# Allegro board reComputer J202_V1.0.brd (continued)
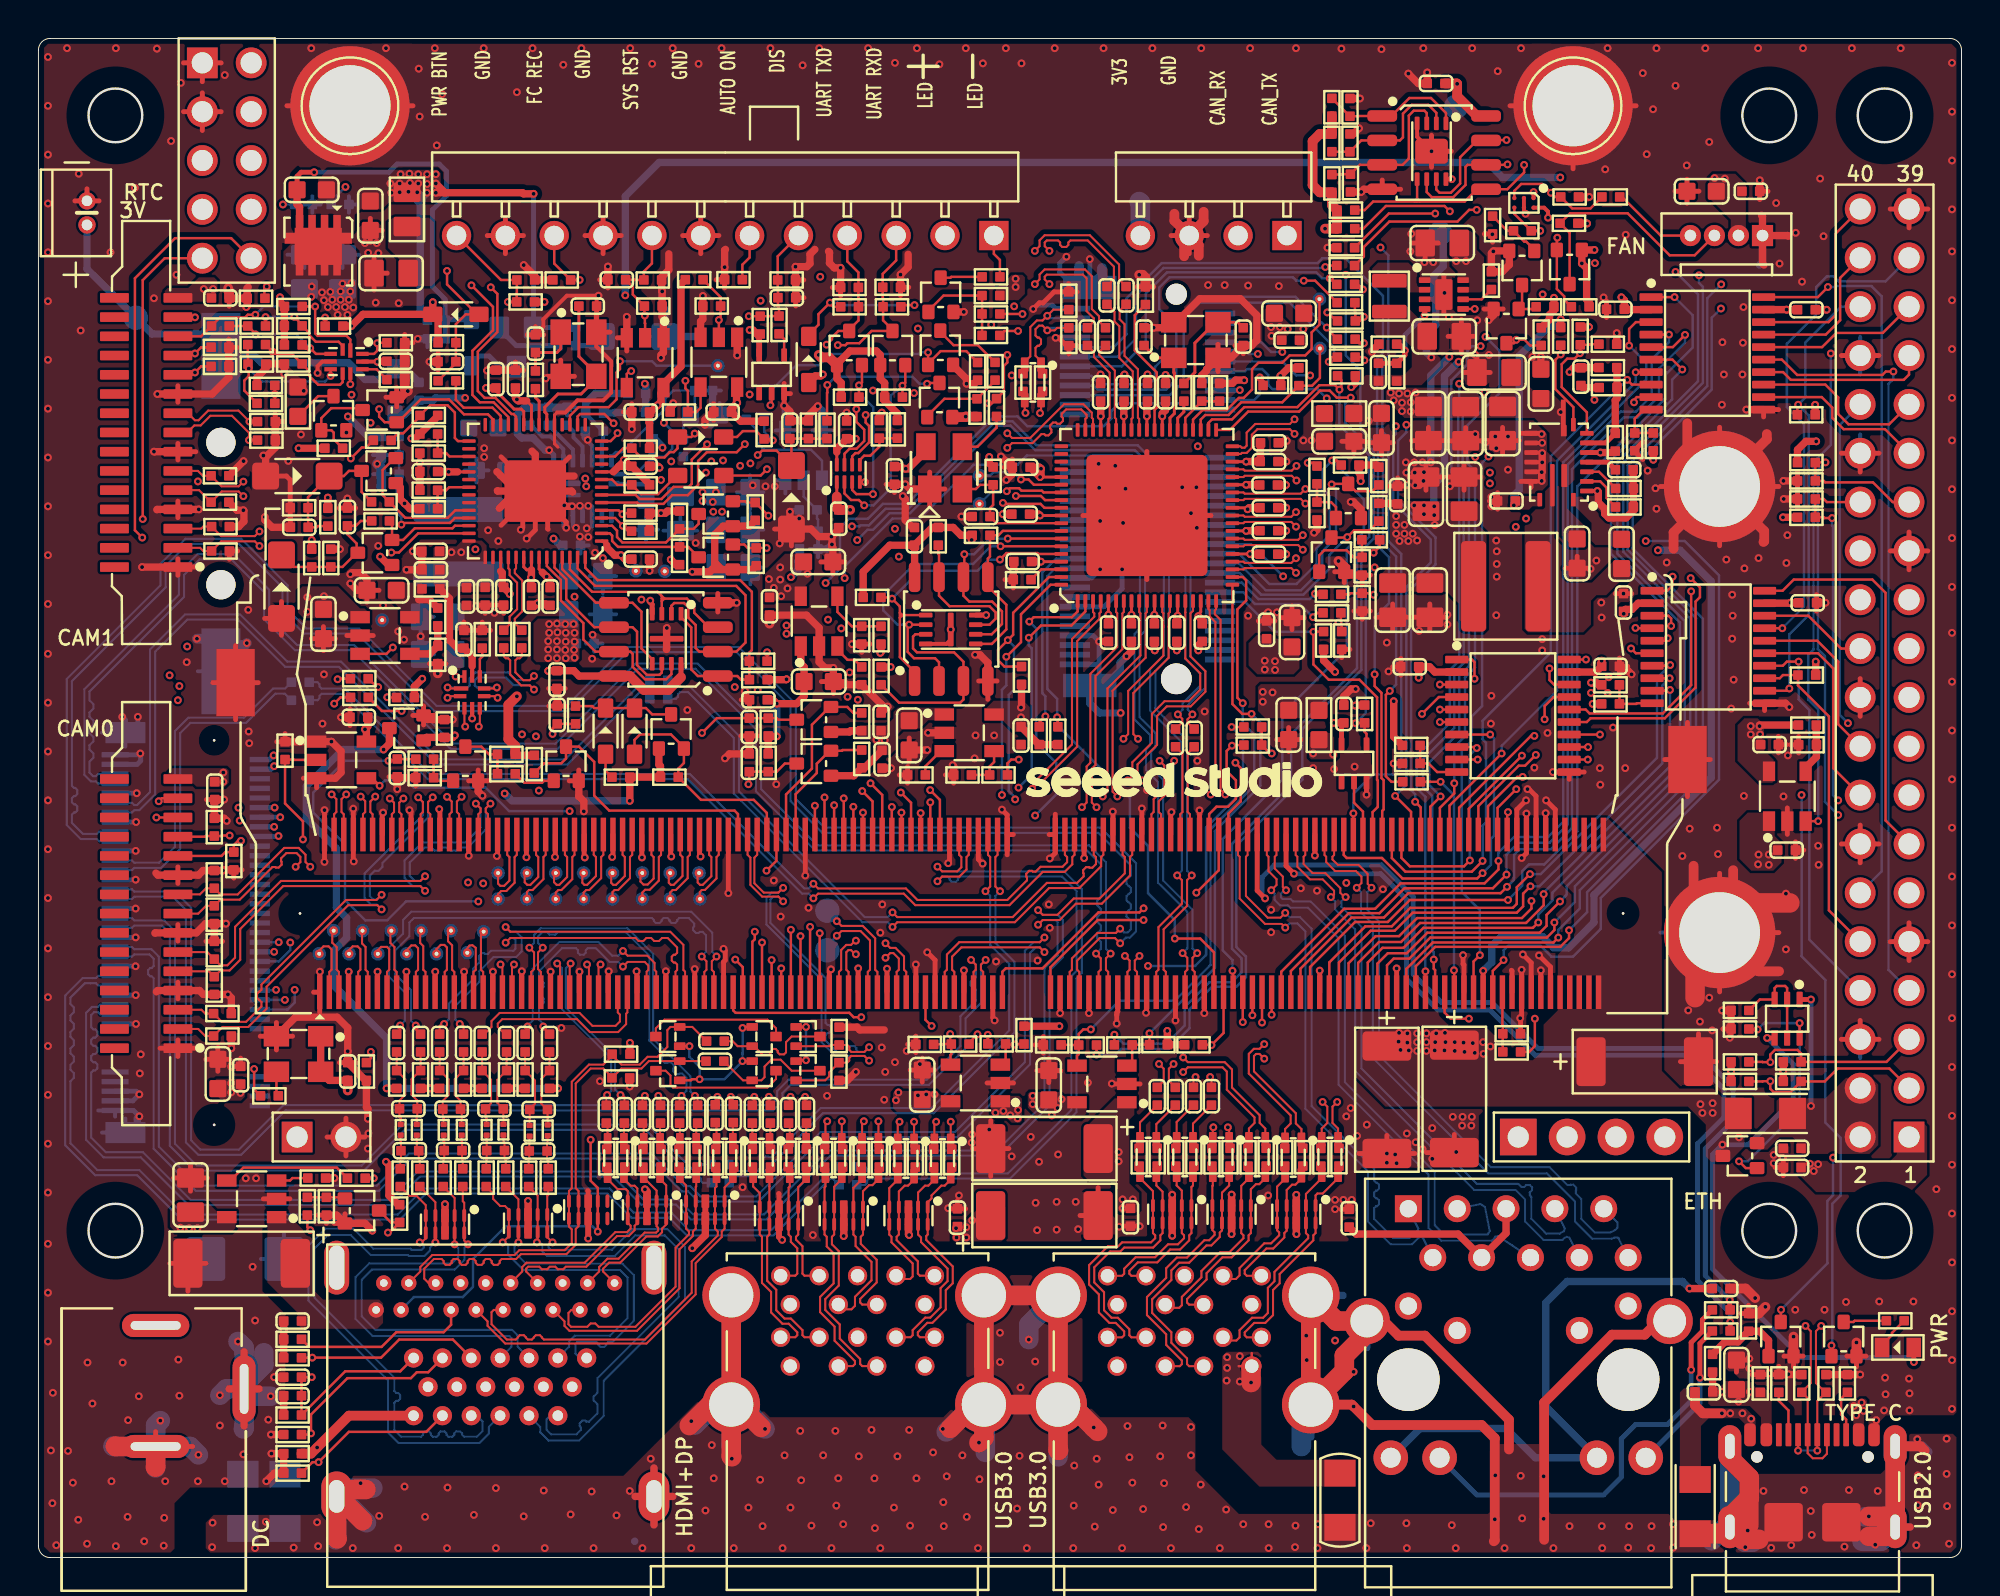
[diagram p0: board, top side]
## Routing (per net, layer and track width the routed paths; a pad name or vN(x,y) marks a point on that pad's centre or on a via; arc(x,y) is an arc through that point) (continued)
SDIO_D1: length 69.5
  TOP w0.127: R223.2 68.46,64.77 68.47,64.75 R213.2 68.71,64.31 v1(68.92,64.52) ; J11.221 71.62,30.75 72.63,31.76 79.13,31.76 79.59,32.21 v1(79.59,32.62)
  LAY4 w0.127: v1(87.49,64.96) 77.41,64.96 77.02,65.34 74.31,65.34 73.95,64.98 71.89,64.98 71.44,64.52 v1(68.92,64.52)
  BOTTOM w0.127: v1(79.59,32.62) 80.53,33.56 80.53,34.6 86.55,40.62 86.55,48.82 82.89,52.48 82.89,56.62 87.01,60.74 87.01,64.47 v1(87.49,64.96)
SDIO_D2: length 42.4
  TOP w0.127: J11.223 v1(72.12,30.49) ; v1(68.92,63.15) 68.67,63.15 R202.2
  LAY4 w0.127: v1(68.92,63.15) 74.37,63.15 74.52,63 v1(74.99,63)
  BOTTOM w0.127: v1(72.12,30.49) 72.12,39.55 71.67,40.01 71.67,41.66 73.39,43.39 73.39,46.16 73.88,46.64 73.88,56.04 73.47,56.45 73.47,61.22 74.31,62.06 74.31,62.76 74.55,63 v1(74.99,63)
SDIO_D3: length 38.9
  TOP w0.127: v1(72.55,31.1) 72.55,30.62 72.62,30.55 J11.225 ; v1(68.95,62.26) 68.78,62.43 R195.2
  LAY4 w0.127: v1(68.95,62.26) 69.61,61.6 72.58,61.6 73.14,61.04 v1(73.88,61.04)
  BOTTOM w0.127: v1(72.55,31.1) 72.55,31.49 72.48,31.57 72.48,39.61 72,40.09 72,41.51 73.62,43.14 73.62,46.03 74.1,46.51 74.1,56.19 73.82,56.47 73.82,60 73.88,60.05 v1(73.88,61.04)
SHUTDOWN_REQ*: length 73.5
  TOP w0.127: v1(38.19,58.1) 38.11,58.17 R163.2 37.32,58.58 36.63,58.58 36.32,58.27 D34.2 ; J11.233 74.62,31 v1(74.95,31.33)
  LAY4 w0.127: v1(75.4,57.26) 75.12,57.54 74.99,57.54 74.38,58.15 68.08,58.15 65.7,60.54 64.43,60.54 63.75,59.85 61.91,59.85 61.23,60.54 50.53,60.54 47.79,57.79 38.96,57.79 38.66,58.1 v1(38.19,58.1)
  BOTTOM w0.127: R269.2 37.74,58.55 v1(38.19,58.1) ; v1(74.95,31.33) 74.95,31.72 74.94,31.73 74.94,33.69 74.02,34.61 74.02,41.96 74.54,42.48 74.54,43.75 75.07,44.28 75.07,56.93 v1(75.4,57.26)
SNN_DP_CEC: length 9.2
  TOP w0.127: J5.B14 21.46,12.1 21.07,11.72 18.6,11.72 17.84,10.95 14.07,10.95 R5.1
SPI0_CS0: length 50.7
  TOP w0.127: U19.5 v1(72.87,44.1) ; J11.95 v1(38.12,31.07)
  LAY4 w0.127: v1(72.87,44.1) 72.48,43.71 72.48,41.92 71.06,40.49 68.49,40.49 67.42,39.43 62.93,39.43 62.31,40.05 58.78,40.05 58.04,40.78 50.12,40.78 48.4,39.07 48.4,32.79 47.38,31.78 47.38,30.26 46.62,29.5 40.33,29.5 38.75,31.07 v1(38.12,31.07)
SPI0_CS0_LS: length 21.1
  TOP w0.127: v1(85.94,50.25) 85.94,45.37 84.47,43.9 80.66,43.9 80.46,44.1 U19.16
  LAY4 w0.127: v1(85.94,50.25) 86.2,50.51 94.03,50.51 J10.24
SPI0_CS1: length 49.5
  TOP w0.127: U19.6 v1(72.87,43.45) ; J11.97 v1(38.63,30.64)
  LAY4 w0.127: v1(38.63,30.64) 40.05,29.22 46.85,29.22 47.71,30.08 47.71,31.78 48.7,32.77 48.7,39.05 50.09,40.43 55.85,40.43 56.94,39.35 60.47,39.35 60.62,39.2 67.58,39.2 68.64,40.27 71.28,40.27 72.87,41.86 v1(72.87,43.45)
SPI0_CS1_LS: length 22.7
  TOP w0.127: U19.15 80.51,43.45 80.71,43.64 84.57,43.64 86.17,45.24 86.17,49.72 86.4,49.94 86.4,50.45 v1(85.91,50.93)
  LAY4 w0.127: J10.26 93.31,50.93 v1(85.91,50.93)
SPI0_MISO: length 52.3
  TOP w0.127: U19.3 v1(72.87,45.4) ; J11.93 v1(37.63,31.99)
  LAY4 w0.127: v1(72.87,45.4) 72.44,45.4 69.54,42.5 63.31,42.5 62.25,43.56 60.24,43.56 60.16,43.48 54.25,43.48 53.59,44.14 52.2,44.14 51.97,43.91 51.97,43.35 47.94,39.33 47.94,32.98 46.88,31.91 46.88,30.46 46.37,29.95 40.63,29.95 38.59,31.99 v1(37.63,31.99)
SPI0_MISO_LS: length 22.2
  TOP w0.127: U19.18 78.81,45.4 78.57,45.63 v1(78.57,46.24)
  LAY4 w0.127: v1(78.57,46.24) 78.97,46.24 79.02,46.18 81.88,46.18 83.43,44.64 85.03,44.64 86.58,46.18 96.18,46.18 J10.21
SPI0_MOSI: length 53.3
  TOP w0.127: v1(71.94,43.87) 72.82,44.75 U19.4 ; v1(36.23,31.1) 36.63,30.7 J11.89
  LAY4 w0.127: v1(36.23,31.1) 36.69,31.55 38.67,31.55 40.5,29.73 46.53,29.73 47.1,30.3 47.1,31.82 48.17,32.89 48.17,39.16 50.09,41.08 58.1,41.08 58.84,40.34 62.34,40.34 62.45,40.22 67.9,40.22 68.4,40.72 70.96,40.72 72.22,41.99 72.22,43.59 v1(71.94,43.87)
SPI0_MOSI_LS: length 22.4
  TOP w0.127: v1(78.32,43.59) 78.32,44.28 78.79,44.75 U19.17
  LAY4 w0.127: J10.19 96.22,45.78 92.67,45.78 91.64,44.75 85.65,44.75 84.49,43.59 v1(78.32,43.59)
SPI0_SCK: length 56.1
  TOP w0.127: U19.1 74.54,46.7 74.68,46.56 v1(74.68,45.7) ; J11.91 37.12,32.03 37.25,32.15 v1(37.25,32.54)
  LAY4 w0.127: v1(37.25,32.54) 38.42,32.54 40.78,30.18 46.11,30.18 46.65,30.72 46.65,32.01 47.71,33.08 47.71,39.42 51.73,43.43 51.73,43.99 52.1,44.37 61.8,44.37 63.41,42.76 69.47,42.76 72.52,45.8 74.18,45.8 74.28,45.7 v1(74.68,45.7)
SPI0_SCK_LS: length 19.2
  TOP w0.127: U19.20 v1(80.47,46.7)
  LAY4 w0.127: v1(80.47,46.7) 80.87,47.1 82.44,47.1 82.69,46.84 83.17,46.84 83.68,47.35 90.72,47.35 90.97,47.61 93.03,47.61 93.92,48.5 95.96,48.5 J10.23
SPI1_CS0: length 54.1
  TOP w0.127: U21.5 84.59,47.68 v1(84.72,47.81) ; J11.110 v1(41.87,39.48)
  LAY3 w0.127: v1(42.07,44.76) 42.07,39.68 v1(41.87,39.48)
  LAY4 w0.127: v1(42.07,44.76) 42.32,45 42.77,45 42.86,44.91 55.66,44.91 57.52,46.77 60.64,46.77 61.23,47.35 64.53,47.35 64.91,46.97 68.44,46.97 69.86,48.39 70.37,48.39 71.67,49.69 78.89,49.69 80.9,47.68 84.2,47.68 84.33,47.81 v1(84.72,47.81)
SPI1_CS0_LS: length 9.2
  TOP w0.127: J10.18 93.59,43.33 93.59,46.59 92.5,47.68 U21.16
SPI1_CS1: length 52.4
  TOP w0.127: U21.6 83.06,47.03 v1(82.82,47.28) ; J11.112 v1(42.37,39.04)
  LAY3 w0.127: v1(42.37,39.04) 42.37,40.72 42.68,41.03 42.68,44.53 v1(42.61,44.61)
  LAY4 w0.127: v1(82.82,47.28) 82.69,47.4 80.85,47.4 78.82,49.44 71.84,49.44 70.57,48.17 69.96,48.17 68.53,46.74 64.81,46.74 64.46,47.1 61.78,47.1 61.15,46.46 61.15,45.46 60.3,44.61 44.36,44.61 44.32,44.65 43.99,44.65 43.96,44.61 v1(42.61,44.61)
SPI1_CS1_LS: length 11.1
  TOP w0.127: J10.16 93.33,41.05 93.33,46.24 92.54,47.03 U21.15
SPI1_MISO: length 56.6
  TOP w0.127: v1(84.9,48.45) 84.9,48.84 84.76,48.98 U21.3 ; J11.108 v1(41.37,39.12)
  LAY3 w0.127: v1(41.37,39.12) 41.37,39.64 41.64,39.91 41.64,45.5 v1(42.18,46.03)
  LAY4 w0.127: v1(84.9,48.45) 83.76,48.45 83.26,47.95 80.95,47.95 78.9,49.99 71.54,49.99 70.17,48.62 69.68,48.62 68.31,47.25 64.97,47.25 64.6,47.62 57.94,47.62 55.49,45.18 43.03,45.18 v1(42.18,46.03)
SPI1_MISO_LS: length 5.7
  TOP w0.127: U21.18 92.03,48.98 93.74,47.27 J10.22
SPI1_MOSI: length 59.3
  TOP w0.127: v1(83.04,48.34) 83.06,48.33 U21.4 ; J11.104 v1(40.37,39.1)
  LAY3 w0.127: v1(41.06,48.78) 40.37,48.09 v1(40.37,39.1)
  LAY4 w0.127: v1(83.04,48.34) 81.01,48.34 79.13,50.22 71.36,50.22 69.99,48.85 69.56,48.85 68.21,47.51 65.04,47.51 64.68,47.86 56.96,47.86 54.52,45.42 43.47,45.42 41.06,47.84 v1(41.06,48.78)
SPI1_MOSI_LS: length 25.8
  TOP w0.127: U21.17 v1(90.68,48.33)
  BOTTOM w0.127: v1(90.68,48.33) 91.81,49.46 91.81,58.94 90.92,59.82 90.92,63.13 92.44,64.65 92.44,66.07 93,66.63 93.36,66.63 93.62,66.37 96.05,66.37 J10.37
SPI1_SCK: length 59.9
  TOP w0.127: U21.1 84.7,50.28 84.98,50.55 v1(84.98,51.01) ; v1(40.87,39.53) J11.106
  LAY3 w0.127: v1(41.74,48.32) 41.74,45.98 41.39,45.63 41.39,39.99 40.93,39.53 v1(40.87,39.53)
  LAY4 w0.127: v1(84.98,51.01) 84.52,50.56 71.26,50.56 69.79,49.08 69.4,49.08 68.08,47.76 65.37,47.76 65.04,48.09 56.68,48.09 54.42,45.83 43.4,45.83 41.74,47.48 v1(41.74,48.32)
SPI1_SCK_LS: length 20.4
  TOP w0.127: J10.13 96.05,38.33 96.05,50.17 95.36,50.86 91.27,50.86 90.7,50.28 U21.20
SS_SQ1: length 2.2
  BOTTOM w0.203: C190.1 27.82,58.57 27.82,58.25 28.29,57.78 U42.4
SS_SQ2: length 1.6
  TOP w0.254: C123.1 81.61,56.97 U32.4
SUSCLK_32KHZ: length 2.9
  TOP w0.127: J11.210 68.87,38.79 68.41,39.25 U16.2
SWCLK: length 23.3
  TOP w0.127: U29.24 24.84,59.33 24.7,59.47 24.6,59.47 23.76,60.31 23.2,60.31 22.85,60.66 22.85,62.72 23.86,63.73 23.86,65.72 v1(23.52,66.06)
  LAY4 w0.127: J17.8 13.5,67.67 15.91,67.67 17.82,65.77 23.23,65.77 v1(23.52,66.06)
SWDIO: length 24.6
  TOP w0.127: U29.25 24.44,59.31 23.67,60.08 22.95,60.08 22.57,60.46 22.57,62.76 23.63,63.83 23.63,65.04 v1(22.52,66.16)
  LAY4 w0.127: v1(22.52,66.16) 17.78,66.16 15.94,68 13.75,68 12.25,69.5 12.25,71.46 J17.6
SYS_RESET: length 3.1
  TOP w0.127: J11.239 76.12,27.7 76.15,27.68 D11.2 FB1.1
SYS_RST*: length 101.1
  TOP w0.127: J15.8 31.9,67.3 31.48,66.88 D48.2 30.99,66.44 30.98,66.45 C162.1 30.91,66.08 30.91,65.68 R221.1 31.51,64.61 v1(31.53,64.59) 31.53,64.19 31.55,64.18 U34.2 ; FB1.2 77.51,26.29 77.81,26.6 v1(77.81,28.02)
  LAY3 w0.127: v1(77.81,28.02) 76.72,29.12 76.72,32.39 78.7,34.37 78.7,36.91 77.89,37.73 77.89,40.65 79.01,41.76 79.01,54.36 77.66,55.71 77.66,61.18 77.23,61.61 77.23,62.54 78.22,63.53 v1(78.22,65.69)
  LAY4 w0.127: v1(31.53,64.59) 34.72,64.59 35.89,65.76 39.17,65.76 40.55,64.37 48.48,64.37 49.52,63.33 50.89,63.33 51.19,63.02 53.86,63.02 57.06,66.23 57.7,66.23 58.18,66.71 64.73,66.71 66.41,65.03 66.74,65.03 66.92,65.21 68.79,65.21 69.1,64.9 71.16,64.9 71.61,65.36 73.67,65.36 74.03,65.72 77.8,65.72 77.83,65.69 v1(78.22,65.69)
TYPE C_USB_DN: length 112.9
  TOP w0.107: v1(22.9,43.21) 22.95,43.27 U20.5 ; v1(92.7,12.05) 92.43,11.77 92.43,9.08 92.91,8.59 D7.2 92.5,8.14 J1.A7 v1(92.5,5.56) ; J1.B7 91.5,5.56 v1(91.5,5.56)
  LAY3 w0.084: v1(92.7,12.05) 92.42,12.33 92.42,13.16 93.03,13.77 93.03,18.5 91.66,19.87 91.66,21.34 88.73,24.26 74.03,24.26 73.55,23.78 71.89,23.78 67.6,19.49 39.41,19.49 36.66,22.23 36.66,25.13 36.23,25.56 36.23,28.33 36.89,28.99 36.89,32.39 35.45,33.84 35.45,39.25 31.18,43.52 24.7,43.52 23.83,42.65 22.85,42.65 22.66,42.84 22.66,42.98 v1(22.9,43.21)
  BOTTOM w0.107: v1(92.5,5.56) v1(91.5,5.56)
TYPE C_USB_DP: length 113.4
  TOP w0.107: v1(22.19,43.21) 22.15,43.25 U20.3 ; J1.B6 93,5.39 92.77,5.16 92.26,5.16 92,5.43 J1.A6 92,8.29 D6.2 91.69,8.61 92.16,9.08 92.16,11.77 v1(91.89,12.05) 91.95,12.05
  LAY3 w0.084: v1(22.19,43.21) 22.43,42.98 22.43,42.74 22.75,42.42 23.93,42.42 24.79,43.28 31.08,43.28 35.21,39.15 35.21,33.74 36.66,32.29 36.66,29.09 36,28.43 36,25.46 36.43,25.03 36.43,22.13 39.31,19.25 67.7,19.25 71.99,23.55 73.64,23.55 74.13,24.03 88.64,24.03 91.42,21.25 91.42,19.77 92.79,18.4 92.79,13.87 92.18,13.26 92.18,12.34 v1(91.89,12.05)
UART0_CTS: length 47.6
  TOP w0.127: J11.105 v1(40.63,32.47)
  LAY3 w0.127: v1(40.63,32.47) 40.63,33.25 41.08,33.71 41.08,37.17 39.79,38.46 39.79,48.17 42.58,50.95 v1(42.58,52.92)
  BOTTOM w0.127: J20.34 57.9,56.7 57.01,57.59 51.83,57.59 50.56,58.86 49.88,58.86 45.33,54.31 44.26,54.31 43.4,53.45 43.11,53.45 v1(42.58,52.92)
UART0_RTS: length 46.3
  TOP w0.127: J11.103 v1(40.12,32.8)
  LAY3 w0.127: v1(40.12,32.8) 40.12,33.21 40.78,33.87 40.78,37.15 39.51,38.42 39.51,48.52 v1(41.92,50.93)
  BOTTOM w0.127: J20.36 57.99,56.2 56.88,57.31 51.4,57.31 50.91,56.83 48.63,56.83 45.84,54.03 44.41,54.03 41.92,51.54 v1(41.92,50.93)
UART0_RXD: length 48.5
  TOP w0.127: J11.101 v1(39.63,32.32)
  LAY3 w0.127: v1(39.63,32.32) 39.63,34.92 39.28,35.26 39.28,49.03 v1(40.93,50.68)
  BOTTOM w0.127: J20.22 59.7,59.7 59.37,60.03 56.2,60.03 55.79,59.62 55.79,59.24 55.38,58.83 51.42,58.83 50.91,59.34 49.71,59.34 45.16,54.8 43.9,54.8 43.13,54.02 42.14,54.02 41.68,53.56 41.68,51.43 v1(40.93,50.68)
UART0_TXD: length 48.3
  TOP w0.127: J11.99 v1(39.12,32.65)
  LAY3 w0.127: v1(42.3,53.63) 41.97,53.3 41.97,52.28 38.53,48.84 38.53,45.03 39,44.56 39,35.14 39.26,34.88 39.26,32.87 39.12,32.74 v1(39.12,32.65)
  BOTTOM w0.127: v1(42.3,53.63) 42.7,53.63 42.75,53.68 43.19,53.68 44.06,54.54 45.23,54.54 49.78,59.09 50.65,59.09 51.9,57.84 57.16,57.84 57.81,57.2 J20.32
UART1_CTS: length 27.3
  TOP w0.127: v1(84.84,45.12) 84.82,45.12 84.78,45.08 U21.9 ; v1(78.27,34.5) 78.27,33.92 77.36,33 71.84,33 70.85,32.01 69.71,32.01 68.62,30.93 J11.209
  BOTTOM w0.127: v1(78.27,34.5) 78.27,34.58 84.84,41.15 v1(84.84,45.12)
UART1_CTS_LS: length 24.3
  TOP w0.127: U21.12 90.93,45.08 v1(91.05,45.19) ; v1(91.5,59.95) 91.46,59.91 R169.2
  BOTTOM w0.127: v1(91.05,45.19) 91.05,48.01 92.05,49.02 92.05,59.41 v1(91.5,59.95) 91.88,60.33 91.88,63.19 93.74,65.05 J10.36
UART1_RTS: length 24.9
  TOP w0.127: J11.207 68.12,30.91 69.53,32.32 70.75,32.32 71.69,33.26 77.14,33.26 77.63,33.75 v1(77.63,34.14) ; U19.9 v1(74.84,41.5)
  LAY3 w0.127: v1(77.63,34.14) 77.25,33.76 75.12,33.76 74.05,34.83 74.05,37.78 74.84,38.56 v1(74.84,41.5)
UART1_RTS_LS: length 23.2
  TOP w0.127: U19.12 v1(80.57,41.5)
  LAY4 w0.127: J10.11 96.02,35.82 96.02,40.32 95.59,40.75 88.12,40.75 87.37,41.5 v1(80.57,41.5)
UART1_RXD: length 28.5
  TOP w0.127: J11.205 67.62,30.94 69.28,32.6 70.52,32.6 71.46,33.54 76.87,33.54 77.2,33.87 77.2,34.53 v1(77.58,34.91) ; U21.8 v1(84.82,45.73)
  BOTTOM w0.127: v1(84.82,45.73) 84.44,45.35 84.44,41.31 78.04,34.91 v1(77.58,34.91)
UART1_RXD_LS: length 17
  TOP w0.127: U21.13 90.55,45.73 90.71,45.89 R116.2 91.49,45.36 93.1,43.75 93.1,33.66 J10.10
UART1_TXD: length 29.6
  TOP w0.127: v1(77.56,35.54) 76.87,34.86 76.87,33.99 76.67,33.79 71.34,33.79 70.37,32.82 69,32.82 67.12,30.95 J11.203 ; U21.7 84.69,46.38 84.72,46.41 v1(84.85,46.41)
  BOTTOM w0.127: v1(84.85,46.41) 84.16,45.73 84.16,41.59 78.12,35.54 v1(77.56,35.54)
UART1_TXD_LS: length 20.3
  TOP w0.127: U21.14 90.71,46.38 90.92,46.59 v1(91.53,46.59)
  BOTTOM w0.127: v1(91.53,46.59) 91.53,44.64 92.09,44.08 92.09,32.13 J10.8
UART2_RXD: length 68.2
  TOP w0.127: J11.238 75.87,38.99 v1(76.85,39.96) ; Q28.2 45.07,61.09 v1(44.93,60.94) R176.2 ; U30.2 41.91,55.34 42.25,55 42.66,55 v1(42.94,54.72)
  LAY3 w0.127: v1(75.48,55.86) 75.97,55.37 75.97,53.41 76.29,53.09 76.29,42.98 75.72,42.41 75.72,41.09 v1(76.85,39.96)
  LAY4 w0.127: v1(42.94,54.72) 43.55,54.72 43.98,55.15 43.98,56.57 44.42,57.02 48.01,57.02 50.05,59.06 52.59,59.06 53.3,59.77 60.77,59.77 61.38,59.16 64.1,59.16 64.6,59.67 65.42,59.67 67.68,57.41 72.78,57.41 73.85,56.34 74.56,56.34 75.04,55.86 v1(75.48,55.86)
  BOTTOM w0.127: v1(44.93,60.94) 44.65,60.66 44.56,60.66 44.31,60.41 44.31,55.61 43.42,54.72 v1(42.94,54.72)
UART2_RXD_LS: length 16
  TOP w0.127: U30.7 41.91,57.4 42.18,57.67 42.54,57.67 42.94,58.06 42.94,58.66 42.53,59.06 v1(42.53,59.72) ; v1(41.57,63.05) 41.96,63.05 42.06,63.15 42.68,63.15 43.32,63.79 Q28.3 44.41,63.85 43.92,64.34 R216.2 43.92,65.48 43.9,65.5 D45.2 43.9,66.76 44.6,67.46 J15.3
  LAY3 w0.127: v1(42.53,59.72) 41.57,60.69 v1(41.57,63.05)
UART2_TXD: length 66.5
  TOP w0.127: v1(43.4,55.3) 42.53,55.3 42.31,55.52 U30.3 ; R175.2 v1(42.67,60.96) 42.82,61.11 Q27.2 ; v1(77.18,40.6) 76.9,40.6 75.38,39.07 J11.236
  LAY3 w0.127: v1(77.18,40.6) 76.59,41.18 76.59,53.22 76.34,53.47 76.34,55.56 v1(75.48,56.42)
  LAY4 w0.127: v1(75.48,56.42) 75.08,56.42 74.75,56.75 73.8,56.75 72.89,57.67 67.75,57.67 65.39,60.03 64.64,60.03 64,59.39 61.53,59.39 60.9,60.03 50.68,60.03 47.91,57.26 44.16,57.26 43.4,56.5 v1(43.4,55.3)
  BOTTOM w0.127: v1(43.4,55.3) 43.4,55.7 43.41,55.71 43.41,59.82 42.67,60.56 v1(42.67,60.96)
UART2_TXD_LS: length 15.6
  TOP w0.127: v1(40.98,63.08) 41.26,63.35 41.26,63.46 41.59,63.79 Q27.3 42.16,63.85 42.64,64.34 R215.2 42.64,65.48 42.64,65.49 D44.2 42.64,66.83 42.06,67.41 J15.4 ; v1(43.01,59.42) 43.01,59.02 43.19,58.85 43.19,58 42.63,57.44 42.48,57.44 42.31,57.27 U30.6
  LAY3 w0.127: v1(40.98,63.08) 41.36,63.46 41.82,63.46 42.02,63.25 42.02,60.8 43.01,59.81 v1(43.01,59.42)
USB0_AP_N: length 33.9
  TOP w0.107: U20.6 23.8,44.79 v1(23.88,44.71) ; v1(42.51,32.08) 42.47,32.08 42.25,31.86 42,31.86 41.74,31.59 41.74,30.57 41.63,30.46 J11.109
  LAY3 w0.084: v1(42.51,32.08) 42.27,31.85 38.96,31.85 36.84,33.97 36.84,39.15 31.66,44.33 24.27,44.33 23.81,43.87 23.2,43.87 22.69,44.38 22.69,44.63 22.78,44.71 v1(23.88,44.71)
USB0_AP_P: length 33.8
  TOP w0.107: J11.111 42.12,30.46 42.01,30.57 42.01,31.48 42.12,31.59 42.25,31.59 42.47,31.38 v1(42.51,31.38) ; U20.2 21.36,44.79 v1(21.27,44.71)
  LAY3 w0.084: v1(21.27,44.71) 22.37,44.71 22.46,44.63 22.46,44.28 23.1,43.64 23.91,43.64 24.37,44.09 31.56,44.09 36.61,39.05 36.61,33.87 38.87,31.61 42.27,31.61 v1(42.51,31.38)
USB0_VBUS_DET*: length 81.7
  TOP w0.127: v1(90.61,12.89) 90.6,12.87 Q1.3 ; v1(42.79,28.1) 42.39,28.1 42.16,28.33 36.25,28.33 36.12,28.46 J11.87
  LAY3 w0.127: v1(93.32,20.8) 89.2,24.91 73.47,24.91 72.97,24.42 71.61,24.42 67.32,20.12 42.38,20.12 40.51,21.99 40.51,24.94 42.79,27.21 v1(42.79,28.1)
  BOTTOM w0.127: v1(90.61,12.89) 93.03,15.3 93.03,18.55 93.32,18.84 v1(93.32,20.8)
USB1_A_N: length 9.2
  TOP w0.107: J4.11 41.84,12.91 42.28,12.91 42.46,13.09 42.46,13.56 43.32,14.42 43.32,15.37 42.49,16.2 42.49,16.68 42.38,16.8 U4.9 U4.2 42.38,19.23 42.83,19.68 L10.3 42.78,19.9 R28.2
USB1_A_P: length 9.2
  TOP w0.107: R40.2 43.72,19.9 L10.2 43.68,19.68 43.37,19.37 43.19,19.37 42.88,19.05 U4.1 U4.10 42.88,16.8 42.76,16.68 42.76,16.31 43.59,15.49 43.59,14.31 42.73,13.45 42.73,13.26 42.84,13.16 J4.12
USB1_AP_N: length 42.7
  TOP w0.107: v1(41.52,32.34) 41.76,32.58 42.75,32.58 43.24,32.09 43.24,30.57 43.12,30.46 J11.115 ; v1(50.38,57.71) 50.62,57.95 51.69,57.95 52.15,58.42 52.3,58.42 52.37,58.36 52.52,58.36 52.67,58.51 52.67,58.66 52.61,58.72 52.61,58.87 52.76,59.03 52.91,59.03 52.97,58.96 53.12,58.96 53.27,59.11 53.27,59.26 53.21,59.33 53.21,59.48 53.44,59.71 54.22,59.71 54.5,59.43 54.5,59.28 54.44,59.21 U28.56
  LAY3 w0.084: v1(50.38,57.71) 50.13,57.96 49.61,57.96 47.08,55.43 47.08,40.67 47.46,40.29 47.46,39.27 43.17,34.99 43.17,33.72 42.05,32.6 41.78,32.6 v1(41.52,32.34)
  BOTTOM w0.107: TP43.1 41.02,31.84 v1(41.52,32.34)
USB1_AP_P: length 42.6
  TOP w0.107: v1(41.52,33.09) 41.76,32.85 42.86,32.85 43.51,32.2 43.51,30.57 43.63,30.46 J11.117 ; v1(50.38,58.47) 50.62,58.22 51.57,58.22 53.33,59.98 54.34,59.98 54.77,59.54 54.77,59.28 54.84,59.21 U28.55
  LAY3 w0.084: v1(41.52,33.09) 41.78,32.83 41.96,32.83 42.94,33.81 42.94,35.08 47.22,39.37 47.22,40.2 46.84,40.57 46.84,55.53 49.51,58.2 50.11,58.2 v1(50.38,58.47)
  BOTTOM w0.107: TP41.1 41.02,33.59 v1(41.52,33.09)
USB1_B_N: length 10.1
  TOP w0.107: R46.2 62.9,19.95 L15.3 62.95,19.73 62.54,19.33 U7.2 U7.9 62.54,16.87 62.66,16.76 62.66,16.61 61.94,15.88 61.45,15.88 60.47,14.9 60.47,14.57 59.46,13.55 59.46,13.12 59.32,12.99 58.76,12.99 J3.11
USB1_B_P: length 10.1
  TOP w0.107: J3.12 59.83,13.15 59.73,13.26 59.73,13.44 60.74,14.46 60.74,14.79 61.57,15.61 62.05,15.61 62.93,16.49 62.93,16.76 63.04,16.87 U7.10 U7.1 63.04,19.15 63.31,19.42 63.48,19.42 63.79,19.73 L15.2 63.84,19.95 R52.2
USB2_A_N: length 12.4
  TOP w0.107: J4.2 42.35,9.96 42.46,10.06 42.46,10.21 41.4,11.27 41.4,12.01 40.64,12.76 40.64,13.55 41.35,14.26 41.35,15.82 40.99,16.18 40.99,16.68 40.88,16.8 U4.6 U4.5 40.88,19.25 40.92,19.3 L9.3 40.92,20.26 R27.2
USB2_A_P: length 12.6
  TOP w0.107: J4.3 42.84,9.96 42.73,10.06 42.73,10.33 41.67,11.39 41.67,12.12 40.91,12.87 40.91,13.44 41.62,14.15 41.62,15.93 41.26,16.29 41.26,16.68 41.38,16.8 U4.7 U4.4 41.38,19.28 41.77,19.68 L9.2 41.77,20.26 R39.2
USB2_AP_N: length 35.7
  TOP w0.107: v1(52.08,59.52) 52.08,59.65 52.14,59.7 L27.2 52.21,60.27 R184.2 ; v1(44.05,31.19) 44.29,31.43 44.46,31.43 44.74,31.15 44.74,30.57 44.63,30.46 J11.121
  LAY3 w0.084: v1(52.08,59.52) 51.84,59.27 51.84,58.08 49.6,55.84 49.6,51.98 48.2,50.58 48.2,39.03 45.05,35.88 45.05,31.98 44.52,31.45 44.31,31.45 v1(44.05,31.19)
USB2_AP_P: length 35.7
  TOP w0.107: v1(51.32,59.53) 51.32,59.65 51.29,59.68 L27.3 51.2,60.28 R183.2 ; v1(44.05,31.95) 44.29,31.7 44.57,31.7 45.01,31.26 45.01,30.57 45.12,30.46 J11.123
  LAY3 w0.084: v1(51.32,59.53) 51.6,59.25 51.6,58.17 49.36,55.94 49.36,52.08 47.97,50.68 47.97,39.12 44.82,35.97 44.82,32.08 44.43,31.69 44.31,31.69 v1(44.05,31.95)
USB2_B_N: length 13.9
  TOP w0.107: R45.2 61.02,19.95 L14.3 61.07,19.35 61.04,19.33 U7.5 U7.6 61.04,17.03 61.16,16.91 61.16,16.78 60.88,16.5 60.62,16.5 59.73,15.6 59.2,15.6 58.64,15.05 58.64,14.55 57.64,13.55 57.64,12.61 58.64,11.61 58.64,11.06 59.46,10.24 59.46,10.06 59.35,9.95 J3.2
USB2_B_P: length 14.1
  TOP w0.107: R51.2 61.96,19.95 L14.2 61.92,19.35 61.54,18.98 U7.4 U7.7 61.54,17.01 61.43,16.9 61.43,16.67 60.99,16.23 60.74,16.23 59.84,15.33 59.31,15.33 58.91,14.93 58.91,14.43 57.91,13.43 57.91,12.72 58.91,11.72 58.91,11.17 59.73,10.35 59.73,10.06 59.83,9.95 J3.3
USB3XI: length 5.7
  TOP w0.152: U28.45 58.84,59.26 59.07,59.49 59.07,61.59 59.04,61.63 X2.1 58.13,62.39 C152.1
USB3XO: length 1.6
  TOP w0.152: R177.1 59.56,59.58 59.24,59.26 U28.44
USB3XO_R: length 5.4
  TOP w0.152: R177.2 60.13,61.63 60.13,63.16 61.21,64.24 X2.3 62.37,64.24 C153.1
USB_BOOT: length 61.3
  TOP w0.127: R117.2 v1(37.89,47.08)
  LAY3 w0.127: v1(40.65,66.61) 40.65,66.21 39.33,64.89 39.33,56.55 40.83,55.05 40.83,51.46 38.37,49 37.91,49 37.65,48.74 37.65,48.15 37.89,47.91 v1(37.89,47.08)
  LAY4 w0.127: v1(40.65,66.61) 40.26,66.61 40.15,66.71 35.52,66.71 35.49,66.75 29.01,66.75 28.59,66.33 28.2,65.95 27.8,65.95 27.01,66.73 22.34,66.73 19.72,69.35 17.89,69.35 v1(15.96,71.28) 13.52,71.28 12.59,72.22 12.59,74.56 12.33,74.81 12.33,76.46 J17.2
  BOTTOM w0.127: v1(15.96,71.28) 15.52,70.84 15.52,70.66 D54.2
USB_DM: length 4.3
  TOP w0.107: R120.2 24.5,48.53 24.5,48.93 24.89,49.32 24.89,50.69 24.5,51.09 24.5,51.37 24.44,51.44 U29.46
USB_DP: length 4.3
  TOP w0.107: U29.47 24.84,51.44 24.77,51.37 24.77,51.2 25.16,50.81 25.16,49.21 24.77,48.82 24.77,48.59 R121.2
USB_MUX_OE*: length 1.5
  TOP w0.127: U20.8 22.95,46.73 23.08,46.85 R119.1
USB_MUX_SEL: length 37.6
  TOP w0.127: v1(11.87,66.1) 11.75,65.97 11.75,65.52 D43.2 ; R207.2 v1(14.91,64.49) ; U20.10 v1(21.69,45.82)
  LAY3 w0.127: v1(14.91,64.49) 16.88,62.52 16.88,47.89 19.52,45.24 20.66,45.24 21.24,45.82 v1(21.69,45.82)
  LAY4 w0.127: v1(14.91,64.49) 14.2,64.49 12.59,66.1 v1(11.87,66.1) 12.15,66.38 12.15,68.21 11.52,68.84 10.55,68.84 9.79,69.6 9.79,71.38 J17.5
USBSS_RX_A_CON1_N: length 7.4
  TOP w0.107: R30.2 45.6,19.89 L1.2 45.53,19.65 45.22,19.34 45.04,19.34 44.74,19.04 U5.4 U5.7 44.74,16.8 44.63,16.68 44.63,16.51 45.73,15.4 45.73,14.76 45.84,14.66 J4.14
USBSS_RX_A_CON1_P: length 7.4
  TOP w0.107: J4.15 44.77,14.49 45.33,14.49 45.46,14.62 45.46,15.29 44.36,16.39 44.36,16.68 44.24,16.8 U5.6 U5.5 44.24,19.21 44.68,19.65 L1.3 44.66,19.85 R29.2
USBSS_RX_A_CON2_N: length 11.8
  TOP w0.107: J4.5 45.84,11.46 45.73,11.56 45.73,11.71 46.22,12.21 46.49,12.21 47.18,12.9 47.18,13.9 47.54,14.26 47.54,15.14 46.16,16.52 46.16,16.72 46.24,16.8 U5.10 U5.1 46.24,18.48 46.44,18.68 46.44,18.83 46.95,19.34 47.12,19.34 47.44,19.65 L2.2 47.49,19.88 R34.2
USBSS_RX_A_CON2_P: length 11.7
  TOP w0.107: R33.2 46.55,19.87 L2.3 46.59,19.65 46.27,19.34 46.1,19.34 45.74,18.98 U5.2 U5.9 45.74,16.8 45.89,16.64 45.89,16.41 47.27,15.03 47.27,14.37 46.91,14.01 46.91,13.01 46.38,12.48 46.11,12.48 45.46,11.83 45.46,11.56 45.35,11.46 J4.6
USBSS_RX_B_CON1_N: length 8.1
  TOP w0.107: R53.2 65.75,19.95 L11.2 65.67,19.7 65.36,19.39 65.19,19.39 64.91,19.11 U8.4 U8.7 64.91,17 64.79,16.88 64.79,16.65 64.21,16.07 63.85,16.07 62.73,14.94 62.73,14.76 62.83,14.65 J3.14
USBSS_RX_B_CON1_P: length 8
  TOP w0.107: J3.15 61.76,14.49 62.27,14.49 62.46,14.68 62.46,15.06 63.74,16.34 64.1,16.34 64.52,16.76 64.52,16.91 64.41,17.02 U8.6 U8.5 64.41,19.29 64.82,19.7 L11.3 64.81,19.9 R47.2
USBSS_RX_B_CON2_N: length 12.2
  TOP w0.107: R54.2 67.63,19.95 L16.2 67.58,19.73 66.78,18.93 66.51,18.93 66.41,18.83 U8.1 U8.10 66.41,16.87 66.29,16.76 66.29,16.49 64.54,14.74 64.54,14.26 64.2,13.91 64.2,12.61 63.79,12.2 63.22,12.2 62.73,11.71 62.73,11.56 62.83,11.45 J3.5
USBSS_RX_B_CON2_P: length 12.1
  TOP w0.107: J3.6 61.76,11.28 62.29,11.28 62.46,11.45 62.46,11.82 63.11,12.47 63.68,12.47 63.93,12.72 63.93,14.03 64.27,14.37 64.27,14.85 66.02,16.61 66.02,16.76 65.91,16.87 U8.9 U8.2 65.91,18.91 66.73,19.73 L16.3 66.69,19.95 R48.2
USBSS_RX_HUB_N: length 4.9
  TOP w0.107: C151.2 55.16,62.7 55.16,62.54 55.97,61.73 55.97,59.28 56.04,59.21 U28.52
USBSS_RX_HUB_P: length 4.9
  TOP w0.107: U28.53 55.64,59.21 55.7,59.28 55.7,61.61 54.89,62.43 54.89,62.69 C150.2
USBSS_RX_N: length 54.8
  TOP w0.107: C161.1 56.19,66.46 56.19,67.24 54.67,68.77 52.32,68.77 52.06,68.5 52.06,68.2 v1(51.81,67.95) ; v1(56.5,31.29) 56.74,31.04 56.74,30.57 56.62,30.46 J11.161
  LAY3 w0.084: v1(56.5,31.29) 56.76,31.55 56.76,34.94 57.59,35.77 57.59,36.86 59.07,38.34 61.28,38.34 62.62,39.68 62.62,43.39 61.1,44.91 61.1,46.99 59.58,48.51 59.58,49.4 58.84,50.15 58.84,56.9 56.93,58.81 56.93,64.1 53.98,67.04 52.31,67.04 52.07,67.28 52.07,67.69 v1(51.81,67.95)
USBSS_RX_P: length 54.6
  TOP w0.107: v1(52.57,67.95) 52.33,68.2 52.33,68.39 52.43,68.5 53.02,68.5 53.13,68.39 53.13,68.26 53.23,68.16 53.45,68.16 53.55,68.26 53.55,68.39 53.66,68.5 54.56,68.5 55.92,67.13 55.92,66.49 55.56,66.13 C160.1 ; J11.163 57.12,30.46 57.01,30.57 57.01,31.04 v1(57.25,31.29)
  LAY3 w0.084: v1(52.57,67.95) 52.31,67.69 52.31,67.37 52.41,67.27 52.62,67.27 52.71,67.36 52.71,67.44 52.79,67.52 52.96,67.52 53.04,67.44 53.04,67.36 53.13,67.27 54.08,67.27 57.16,64.19 57.16,58.91 59.07,57 59.07,50.24 59.82,49.5 59.82,48.61 61.34,47.09 61.34,45.01 62.86,43.48 62.86,39.58 61.38,38.11 59.17,38.11 57.82,36.76 57.82,35.67 56.99,34.84 56.99,31.55 v1(57.25,31.29)
USBSS_TX_A_CON1_N: length 6.8
  TOP w0.107: J4.17 39.84,14.66 39.73,14.76 39.73,16.19 39.39,16.53 39.39,16.68 39.51,16.8 U3.10 U3.1 39.51,19.27 39.92,19.68 L8.2 39.93,19.87 R41.2
USBSS_TX_A_CON1_P: length 6.7
  TOP w0.107: J4.18 39.35,14.66 39.46,14.76 39.46,16.08 39.12,16.42 39.12,16.68 39.01,16.8 U3.9 U3.2 39.01,19.24 39.07,19.3 L8.3 38.99,19.93 R42.2
USBSS_TX_A_CON2_N: length 10.7
  TOP w0.107: R32.2 38.07,19.91 L7.2 38.01,19.3 38.01,19.29 U3.4 U3.7 38.01,16.8 37.89,16.68 37.89,14.4 38.37,13.92 38.37,12.86 38.8,12.43 39.13,12.43 39.73,11.83 39.73,11.56 39.84,11.46 J4.8
